# Allegro board OE19_backplane_1v02_b_0705_0920_customer.brd (continued)
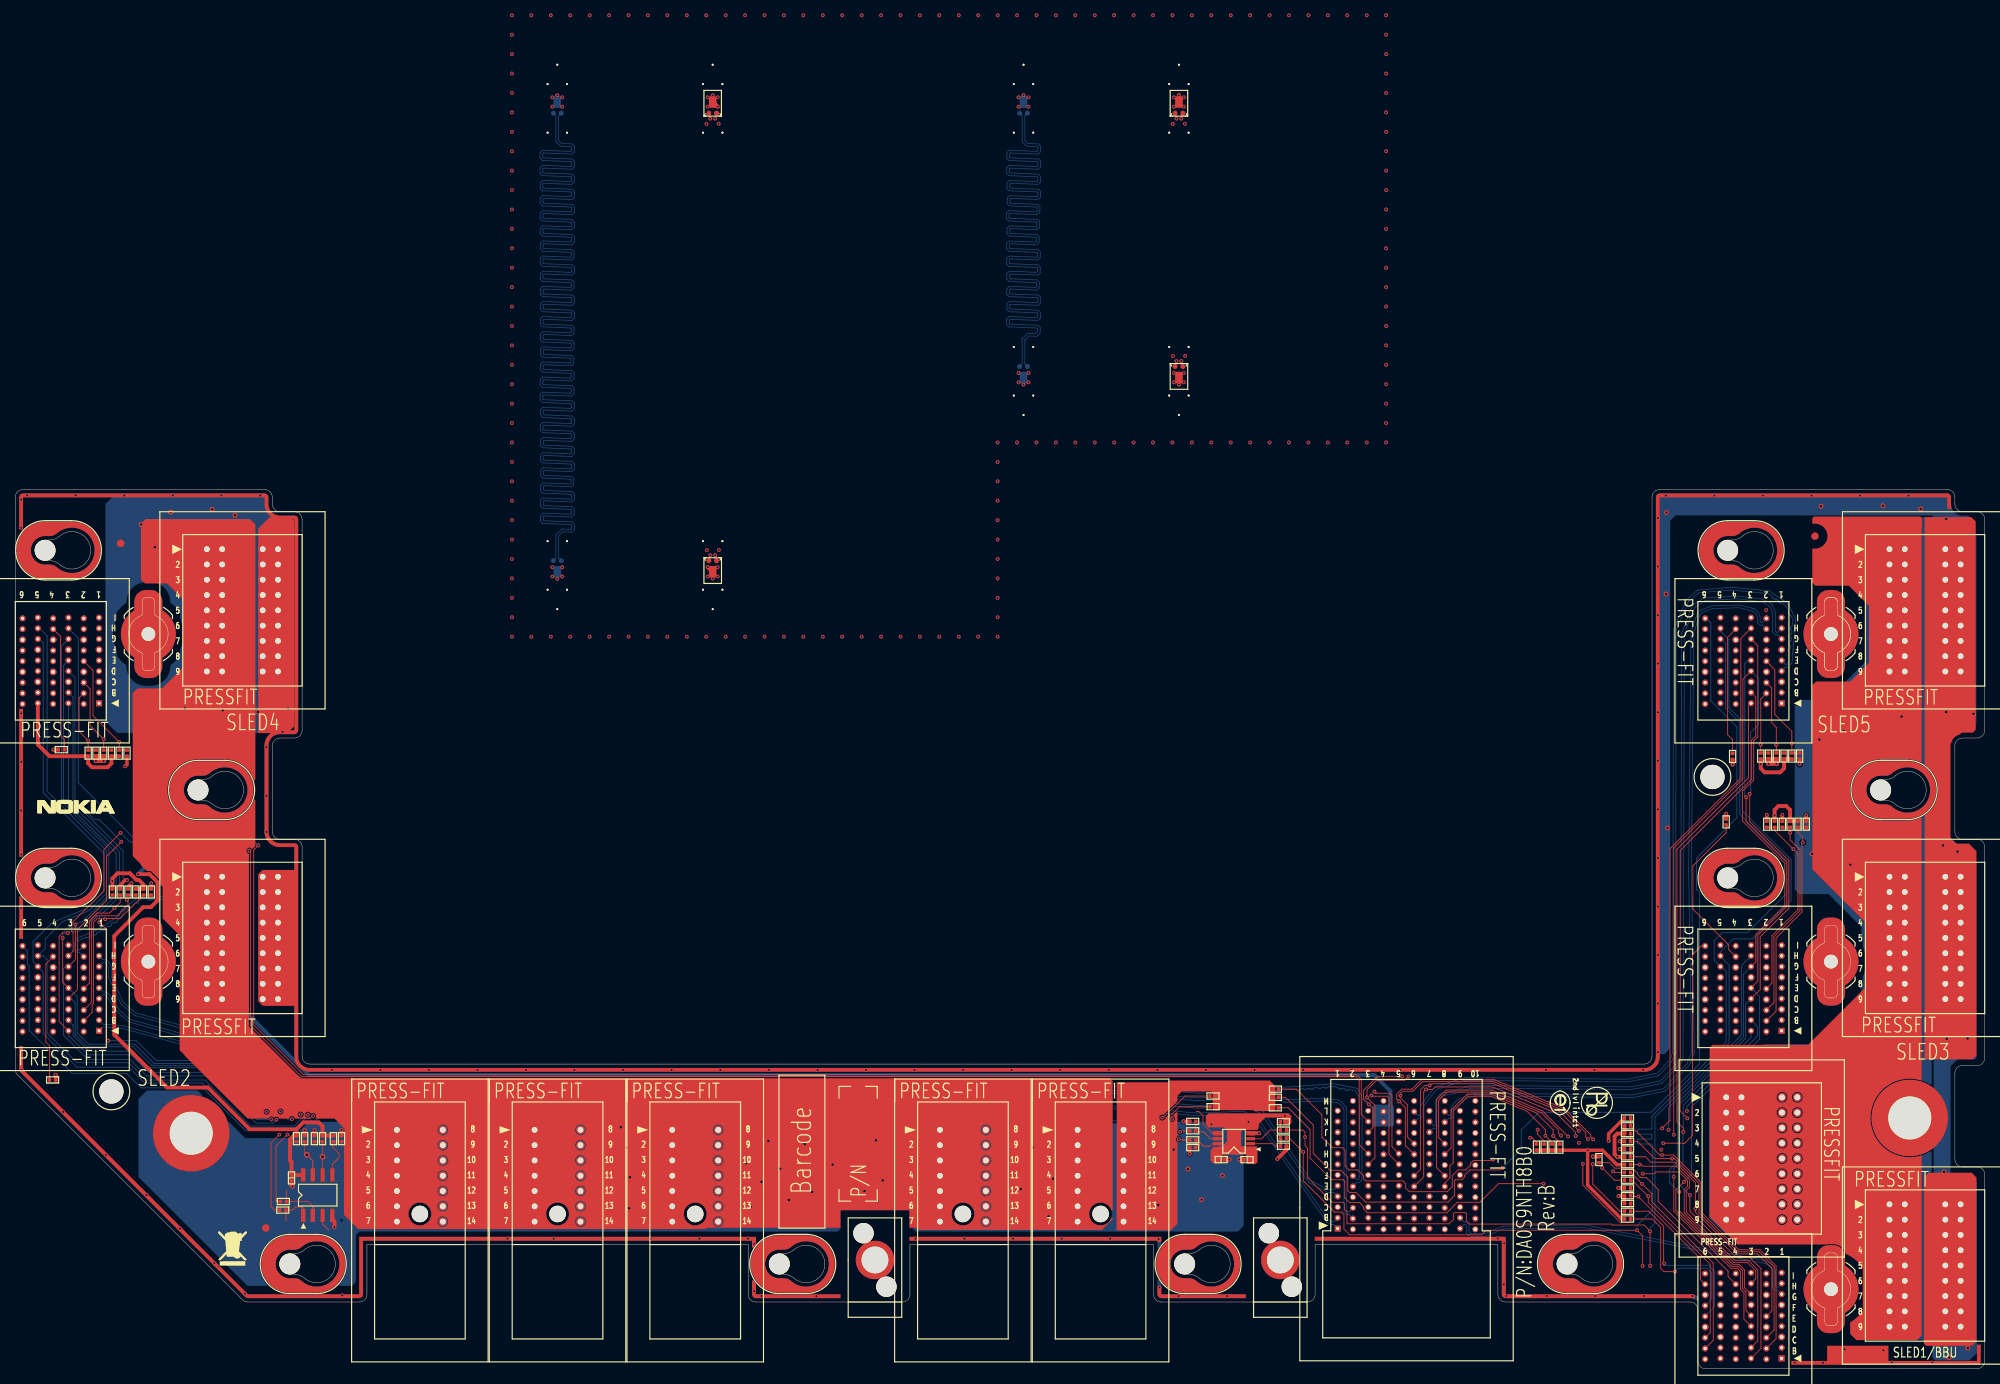
[diagram p0: board, top side]
## Nets
GND: C1045.2(B) C1375.2(B) C1377.2(B) H1.1 H2.1 J1.19 J1.20 J1.21 J1.22 J1.23 J1.24 J1.25 J1.26 J1.27 J1.28 J1.29 J1.30 J1.31 J1.32 J1.33 J1.34 J1.35 J1.36 J2.19 J2.20 J2.21 J2.22 J2.23 J2.24 J2.25 J2.26 J2.27 J2.28 J2.29 J2.30 J2.31 J2.32 J2.33 J2.34 J2.35 J2.36 J3.19 J3.20 J3.21 J3.22 J3.23 J3.24 J3.25 J3.26 J3.27 J3.28 J3.29 J3.30 J3.31 J3.32 J3.33 J3.34 J3.35 J3.36 J4.19 J4.20 J4.21 J4.22 J4.23 J4.24 J4.25 J4.26 J4.27 J4.28 J4.29 J4.30 J4.31 J4.32 J4.33 J4.34 J4.35 J4.36 J5.19 J5.20 J5.21 J5.22 J5.23 J5.24 J5.25 J5.26 J5.27 J5.28 J5.29 J5.30 J5.31 J5.32 J5.33 J5.34 J5.35 J5.36 J6.19 J6.20 J6.21 J6.22 J6.23 J6.24 J6.25 J6.26 J6.27 J6.28 J6.29 J6.30 J6.31 J6.32 J6.33 J6.34 J6.35 J6.36 J7.A2 J7.A4 J7.A6 J7.C1 J7.C3 J7.C5 J7.D2 J7.D4 J7.D6 J7.F1 J7.F3 J7.F5 J7.G2 J7.G4 J7.G6 J7.I1 J7.I3 J7.I5 J8.A2 J8.A4 J8.A6 J8.A8 J8.A10 J8.C1 J8.C3 J8.C5 J8.C7 J8.C9 J8.D2 J8.D4 J8.D6 J8.D8 J8.D10 J8.F1 J8.F3 J8.F5 J8.F7 J8.F9 J8.G2 J8.G4 J8.G6 J8.G8 J8.G10 J8.I1 J8.I3 J8.I5 J8.I7 J8.I9 J8.J2 J8.J4 J8.J6 J8.J8 J8.J10 J8.L1 J8.L3 J8.L5 J8.L7 J8.L9 J8.MG1 J8.MG2 J8.MG3 J8.MG4 J8.MG5 J9.A2 J9.A4 J9.A6 J9.C1 J9.C3 J9.C5 J9.D2 J9.D4 J9.D6 J9.F1 J9.F3 J9.F5 J9.G2 J9.G4 J9.G6 J9.I1 J9.I3 J9.I5 J10.A2 J10.A4 J10.A6 J10.C1 J10.C3 J10.C5 J10.D2 J10.D4 J10.D6 J10.F1 J10.F3 J10.F5 J10.G2 J10.G4 J10.G6 J10.I1 J10.I3 J10.I5 J11.A2 J11.A4 J11.A6 J11.C1 J11.C3 J11.C5 J11.D2 J11.D4 J11.D6 J11.F1 J11.F3 J11.F5 J11.G2 J11.G4 J11.G6 J11.I1 J11.I3 J11.I5 J12.A2 J12.A4 J12.A6 J12.C1 J12.C3 J12.C5 J12.D2 J12.D4 J12.D6 J12.F1 J12.F3 J12.F5 J12.G2 J12.G4 J12.G6 J12.I1 J12.I3 J12.I5 J37.G1 J38.G1 J39.G1 J40.G1 J41.G1 JP1.8 JP1.9 JP1.10 JP1.11 JP1.12 JP1.13 JP1.14 JP2.8 JP2.9 JP2.10 JP2.11 JP2.12 JP2.13 JP2.14 JP3.8 JP3.9 JP3.10 JP3.11 JP3.12 JP3.13 JP3.14 JP4.8 JP4.9 JP4.10 JP4.11 JP4.12 JP4.13 JP4.14 JP5.1 JP6.1 JP7.8 JP7.9 JP7.10 JP7.11 JP7.12 JP7.13 JP7.14 R7.2(B) R9.2(B) R11.2(B) R17.2(B) R19.2(B) R20.2(B) R21.2(B) R22.2(B) R23.2(B) R24.2(B) R25.2(B) R26.2(B) R27.2(B) R28.2(B) R32.2(B) R41.2(B) R42.2(B) R43.2(B) R44.2(B) R45.2(B) R54.2(B) R55.2(B) R56.2(B) R57.2(B) R58.2(B) R1103.2(B) R1109.2(B) R1114.2(B) R2298.2(B) U31.4(GND) U118.4(GND)
P3V3_RMC_STBY: C1045.1(A) C1375.1(A) C1377.1(A) J8.K4 J8.L4 R29.1(A) R30.1(A) R31.1(A) R33.1(A) R34.1(A) R35.1(A) R36.1(A) R37.1(A) R48.1(A) R49.1(A) R50.1(A) R51.1(A) R1102.1(A) R1108.1(A) R1113.1(A) U31.8(VCC) U118.1(VCCA) U118.8(VCCB)
P3V3_SLED1: J7.A5 R13.1(A) R15.1(A) R2297.1(A)
P3V3_SLED2: J9.A5 R1.1(A) R8.1(A) R14.1(A)
P3V3_SLED3: J10.A5 R2.1(A) R10.1(A) R12.1(A)
P3V3_SLED4: J11.A5 R3.1(A) R6.1(A) R18.1(A)
P3V3_SLED5: J12.A5 R4.1(A) R5.1(A) R16.1(A)
P12V_PSU: J1.1 J1.2 J1.3 J1.4 J1.5 J1.6 J1.7 J1.8 J1.9 J1.10 J1.11 J1.12 J1.13 J1.14 J1.15 J1.16 J1.17 J1.18 J2.1 J2.2 J2.3 J2.4 J2.5 J2.6 J2.7 J2.8 J2.9 J2.10 J2.11 J2.12 J2.13 J2.14 J2.15 J2.16 J2.17 J2.18 J3.1 J3.2 J3.3 J3.4 J3.5 J3.6 J3.7 J3.8 J3.9 J3.10 J3.11 J3.12 J3.13 J3.14 J3.15 J3.16 J3.17 J3.18 J4.1 J4.2 J4.3 J4.4 J4.5 J4.6 J4.7 J4.8 J4.9 J4.10 J4.11 J4.12 J4.13 J4.14 J4.15 J4.16 J4.17 J4.18 J5.1 J5.2 J5.3 J5.4 J5.5 J5.6 J5.7 J5.8 J5.9 J5.10 J5.11 J5.12 J5.13 J5.14 J5.15 J5.16 J5.17 J5.18 J6.1 J6.2 J6.3 J6.4 J6.5 J6.6 J6.7 J6.8 J6.9 J6.10 J6.11 J6.12 J6.13 J6.14 J6.15 J6.16 J6.17 J6.18 JP1.1 JP1.2 JP1.3 JP1.4 JP1.5 JP1.6 JP1.7 JP2.1 JP2.2 JP2.3 JP2.4 JP2.5 JP2.6 JP2.7 JP3.1 JP3.2 JP3.3 JP3.4 JP3.5 JP3.6 JP3.7 JP4.1 JP4.2 JP4.3 JP4.4 JP4.5 JP4.6 JP4.7 JP7.1 JP7.2 JP7.3 JP7.4 JP7.5 JP7.6 JP7.7
DELTA_L_85_5INCH_BOT_DN: J15.1 J21.2
DELTA_L_85_5INCH_BOT_DP: J15.2 J21.1
DELTA_L_85_5INCH_IN2_DN: J16.1 J22.2
DELTA_L_85_5INCH_IN2_DP: J16.2 J22.1
DELTA_L_85_10INCH_BOT_DN: J27.1 J33.2
DELTA_L_85_10INCH_BOT_DP: J27.2 J33.1
DELTA_L_85_10INCH_IN2_DN: J28.1 J34.2
DELTA_L_85_10INCH_IN2_DP: J28.2 J34.1
FM_BBU_PRSNT_N: J7.F6 J8.B7 R29.2(B)
FM_BMC_SLED1_READY_N: J7.H3 J8.C8
FM_BMC_SLED2_READY_N: J8.H3 J9.H3
FM_BMC_SLED3_READY_N: J8.F8 J10.H3
FM_BMC_SLED4_READY_N: J8.K3 J11.H3
FM_BMC_SLED5_READY_N: J8.I8 J12.H3
FM_RMC_GPIO_0: J7.D3 J8.F6 J9.D3 J10.D3 J11.D3 J12.D3
FM_RMC_GPIO_1: J7.E3 J8.H6 J9.E3 J10.E3 J11.E3 J12.E3
FM_RMC_GPIO_2: J7.G3 J8.I6 J9.G3 J10.G3 J11.G3 J12.G3
FM_SLED1_PRSNT_N: J7.B3 J8.B8 R36.2(B)
FM_SLED2_PRSNT_N: J8.G3 J9.B3 R35.2(B)
FM_SLED3_PRSNT_N: J8.E8 J10.B3 R34.2(B)
FM_SLED4_PRSNT_N: J8.J3 J11.B3 R33.2(B)
FM_SLED5_PRSNT_N: J8.H8 J12.B3 R30.2(B)
IRQ_RMC_ALERT_N: J7.A3 J8.E6 J9.A3 J10.A3 J11.A3 J12.A3
LAN_SLED1_MDIN0: J7.B1 J8.C10
LAN_SLED1_MDIN1: J7.E1 J8.E10
LAN_SLED1_MDIN2: J7.H1 J8.B9
LAN_SLED1_MDIN3: J7.I2 J8.E9
LAN_SLED1_MDIP0: J7.A1 J8.B10
LAN_SLED1_MDIP1: J7.D1 J8.F10
LAN_SLED1_MDIP2: J7.G1 J8.A9
LAN_SLED1_MDIP3: J7.H2 J8.D9
LAN_SLED2_MDIN0: J8.B1 J9.B1
LAN_SLED2_MDIN1: J8.E1 J9.E1
LAN_SLED2_MDIN2: J8.C2 J9.H1
LAN_SLED2_MDIN3: J8.F2 J9.I2
LAN_SLED2_MDIP0: J8.A1 J9.A1
LAN_SLED2_MDIP1: J8.D1 J9.D1
LAN_SLED2_MDIP2: J8.B2 J9.G1
LAN_SLED2_MDIP3: J8.E2 J9.H2
LAN_SLED3_MDIN0: J8.K10 J10.B1
LAN_SLED3_MDIN1: J8.H10 J10.E1
LAN_SLED3_MDIN2: J8.H9 J10.H1
LAN_SLED3_MDIN3: J8.J9 J10.I2
LAN_SLED3_MDIP0: J8.L10 J10.A1
LAN_SLED3_MDIP1: J8.I10 J10.D1
LAN_SLED3_MDIP2: J8.G9 J10.G1
LAN_SLED3_MDIP3: J8.K9 J10.H2
LAN_SLED4_MDIN0: J8.H1 J11.B1
LAN_SLED4_MDIN1: J8.K1 J11.E1
LAN_SLED4_MDIN2: J8.I2 J11.H1
LAN_SLED4_MDIN3: J8.L2 J11.I2
LAN_SLED4_MDIP0: J8.G1 J11.A1
LAN_SLED4_MDIP1: J8.J1 J11.D1
LAN_SLED4_MDIP2: J8.H2 J11.G1
LAN_SLED4_MDIP3: J8.K2 J11.H2
LAN_SLED5_MDIN0: J8.K5 J12.B1
LAN_SLED5_MDIN1: J8.K6 J12.E1
LAN_SLED5_MDIN2: J8.K7 J12.H1
LAN_SLED5_MDIN3: J8.L8 J12.I2
LAN_SLED5_MDIP0: J8.J5 J12.A1
LAN_SLED5_MDIP1: J8.L6 J12.D1
LAN_SLED5_MDIP2: J8.J7 J12.G1
LAN_SLED5_MDIP3: J8.K8 J12.H2
PD_BBU_A0: J7.H6 R31.2(B) R32.1(A)
PD_SLED1_CHASSIS_INTRUSION: J7.H4 R54.1(A)
PD_SLED1_PRSNT_RETURN: J7.I6 R41.1(A)
PD_SLED2_CHASSIS_INTRUSION: J9.H4 R55.1(A)
PD_SLED2_PRSNT_RETURN: J9.I6 R42.1(A)
PD_SLED3_CHASSIS_INTRUSION: J10.H4 R56.1(A)
PD_SLED3_PRSNT_RETURN: J10.I6 R43.1(A)
PD_SLED4_CHASSIS_INTRUSION: J11.H4 R57.1(A)
PD_SLED4_PRSNT_RETURN: J11.I6 R44.1(A)
PD_SLED5_CHASSIS_INTRUSION: J12.H4 R58.1(A)
PD_SLED5_PRSNT_RETURN: J12.I6 R45.1(A)
SB_SLED1_ADDR_0: J7.B2 R2297.2(B) R2298.1(A)
SB_SLED1_ADDR_1: J7.C2 R13.2(B) R21.1(A)
SB_SLED1_ADDR_2: J7.E2 R15.2(B) R24.1(A)
SB_SLED2_ADDR_0: J9.B2 R8.2(B) R9.1(A)
SB_SLED2_ADDR_1: J9.C2 R1.2(B) R19.1(A)
SB_SLED2_ADDR_2: J9.E2 R14.2(B) R22.1(A)
SB_SLED3_ADDR_0: J10.B2 R10.2(B) R11.1(A)
SB_SLED3_ADDR_1: J10.C2 R12.2(B) R20.1(A)
SB_SLED3_ADDR_2: J10.E2 R2.2(B) R23.1(A)
SB_SLED4_ADDR_0: J11.B2 R3.2(B) R7.1(A)
SB_SLED4_ADDR_1: J11.C2 R18.2(B) R26.1(A)
SB_SLED4_ADDR_2: J11.E2 R6.2(B) R28.1(A)
SB_SLED5_ADDR_0: J12.B2 R16.2(B) R17.1(A)
SB_SLED5_ADDR_1: J12.C2 R4.2(B) R25.1(A)
SB_SLED5_ADDR_2: J12.E2 R5.2(B) R27.1(A)
SMB_3UBP_TEMP_SCL: R1123.1(A) U31.2(SCL)
SMB_3UBP_TEMP_SDA: R1122.1(A) U31.1(SDA)
SMB_BBU_ALERT_N: J8.A7 R37.2(B) R38.1(A)
SMB_BBU_ALERT_R_N: J7.E6 R38.2(B)
SMB_PMBUS_BBU_SCL: J7.B6 R39.2(B)
SMB_PMBUS_BBU_SDA: J7.C6 R40.2(B)
SMB_PMBUS_SCL: J8.D7 R39.1(A)
SMB_PMBUS_SDA: J8.E7 R40.1(A)
SMB_SLED_BUF_SCL: J7.G5 J9.G5 J10.G5 J11.G5 J12.G5 R52.2(B)
SMB_SLED_BUF_SCL_R: R50.2(B) R52.1(A) U118.2(SCLA)
SMB_SLED_BUF_SDA: J7.H5 J9.H5 J10.H5 J11.H5 J12.H5 R53.2(B)
SMB_SLED_BUF_SDA_R: R51.2(B) R53.1(A) U118.3(SDAA)
SMB_SLED_COMBINE_SCL: J8.G5 R46.1(A) R1123.2(B)
SMB_SLED_COMBINE_SCL_R: R46.2(B) R48.2(B) U118.7(SCLB)
SMB_SLED_COMBINE_SDA: J8.H5 R47.1(A) R1122.2(B)
SMB_SLED_COMBINE_SDA_R: R47.2(B) R49.2(B) U118.6(SDAB)
TGND: J15.3 J16.3 J21.3 J22.3 J27.3 J28.3 J33.3 J34.3
TMP75_1_A0: R1113.2(B) R1114.1(A) U31.7(A0)
TMP75_1_A1: R1108.2(B) R1109.1(A) U31.6(A1)
TMP75_1_A2: R1102.2(B) R1103.1(A) U31.5(A2)
TP_BUF_EN: U118.5(EN)
TP_TMP75_1_ALERT: U31.3(ALERT)

Pads without a net: DM2 1; DM3 1; DM4 1; DM7 1; DM8 1; J7 B4 B5 C4 D5 E4 E5 F2 F4 I4; J8 A3 A5 B3 B4 B5 B6 C4 C6 D3 D5 E3 E4 E5 F4 G7 H4 H7 I4; J9 B4 B5 B6 C4 C6 D5 E4 E5 E6 F2 F4 F6 H6 I4; J10 B4 B5 B6 C4 C6 D5 E4 E5 E6 F2 F4 F6 H6 I4; J11 B4 B5 B6 C4 C6 D5 E4 E5 E6 F2 F4 F6 H6 I4; J12 B4 B5 B6 C4 C6 D5 E4 E5 E6 F2 F4 F6 H6 I4; NOREF#17 1; NOREF#42 1; NOREF#63 1

## Via types
v1: diameter 0.508, hole 0.254, TOP to BOTTOM, 448 vias
v2: diameter 0.762, hole 0.381, TOP to BOTTOM, 2 vias
v3: diameter 0.66, hole 0.33, TOP to BOTTOM, 55 vias

## Routing (per net, layer and track width the routed paths; a pad name or vN(x,y) marks a point on that pad's centre or on a via; arc(x,y) is an arc through that point)
GND: length 24.1
  TOP w0.457: R2298.2 210.39,32.79 208.33,30.73 v1(208.33,29.79) ; R24.2 v1(209.79,28.73) ; R9.2 v1(17.78,63.48) ; R32.2 v1(209.58,23.65) ; R22.2 13.72,63.25 14.37,63.91 v1(14.59,63.91) ; R19.2 14.73,63.04 v1(15.18,63.49) ; R23.2 v1(229,72.43) ; R27.2 v1(233.3,79.12) ; R28.2 14.61,79.04 v1(14.36,78.79) ; R20.2 v1(231.04,72.43) ; R21.2 v1(209.79,29.74)
  TOP w0.508: R11.2 v1(234.17,72.39) ; C1375.2 v1(158.76,27.35) ; C1045.2 36.12,23.94 v1(36.24,23.81) ; R55.2 v1(5.28,38.44) ; v1(42.65,31.23) R1103.2 ; R1114.2 v1(37.84,31.21) ; v1(224.54,79.01) R58.2 ; R54.2 v1(206.29,27.75) ; R1109.2 v1(39.11,31.2) ; U118.4 v1(162.63,30.81) ; v1(41.72,18.52) 41.72,18.53 41.72,19.24 41.45,19.52 U31.4 ; C1377.2 v1(160,27.34) ; R56.2 v1(223.7,72.59) ; R57.2 v1(4.98,80.98)
  vias: v1(0.76,113.67) v1(0.76,109.98) v1(0.77,85.73) v1(0.77,79.39) v1(0.77,73) v1(0.78,67.26) v1(0.76,60.25) v1(0.88,39.08) v1(1.55,114.23) v1(6.26,33.59) v1(7.9,114.23) v1(10.54,79.5) v1(11.56,79.5) v1(11.85,27.96) v1(14.25,114.23) v1(17.16,22.72) v1(20.6,114.23) v1(21.54,18.34) v1(26.02,13.81) v1(26.95,114.23) v1(30.03,9.79) v1(32.03,114.23) v1(32.83,81.29) v1(32.83,74.94) v1(32.84,70.22) v1(34.93,83.3) v1(41.38,39.07) v1(42.76,9.59) v1(47.73,39.07) v1(54.08,39.07) v1(60.43,39.07) v1(64.33,17.01) v1(66.78,39.07) v1(70.41,17) v1(73.13,39.07) v1(76.76,17) v1(79.48,39.07) v1(83.11,17) v1(85.83,39.07) v1(89.46,17) v1(92.18,39.07) v1(95.81,17) v1(96.63,16.32) v1(96.63,10.13) v1(97.57,9.51) v1(98.53,39.07) v1(104.73,9.5) v1(104.88,39.07) v1(111.23,39.07) v1(117.58,39.07) v1(117.73,17) v1(123.93,39.07) v1(124.1,17.01) v1(130.28,39.07) v1(130.45,17.01) v1(136.63,39.07) v1(136.8,17.01) v1(142.98,39.07) v1(143.15,17.01) v1(149.33,39.07) v1(149.5,16.95) v1(149.6,10.62) v1(152.11,9.5) v1(155.68,39.07) v1(158.46,9.5) v1(162.03,39.07) v1(168.38,39.07) v1(174.73,39.07) v1(181.08,39.07) v1(193.83,17.04) v1(194.63,11.02) v1(194.67,16.4) v1(194.94,9.52) v1(200.13,39.07) v1(200.23,9.51) v1(204.44,29.54) v1(206.48,39.07) v1(206.58,9.51) v1(212.83,39.07) v1(212.93,9.51) v1(214.78,111.27) v1(214.78,104.92) v1(214.78,98.57) v1(214.78,92.22) v1(214.78,85.87) v1(214.78,79.52) v1(214.78,73.17) v1(214.78,66.82) v1(214.78,60.47) v1(214.78,54.12) v1(214.78,47.77) v1(214.78,41.42) v1(215.21,28.65) v1(215.81,114.21) v1(219.28,9.51) v1(222.16,114.21) v1(228.51,114.21) v1(228.93,99.24) v1(229.24,79.12) v1(230.25,79.12) v1(232.67,0.79) v1(234.86,114.21) v1(236.36,0.76) v1(239.2,2.55) v1(241.21,114.21) v1(244.24,2.42) v1(245.37,0.79) v1(247.56,114.21) v1(250.66,0.78) v3(16.46,110.44) v3(18.25,107.46) v3(20.33,112.04) v3(22.18,86.38) v3(25.75,112.4) v3(27.12,86.14) v3(28.73,111.63) v3(31.71,85.9) v3(35.7,86.32) v3(79.17,31.59) v3(79.89,28.91) v3(80.24,20.99) v3(80.36,25.04) v3(95.55,26.88) v3(96.14,21.17) v3(97.57,24.44) v3(98.47,29.8) v3(100.01,26.17) v3(101.15,22.06) v3(103.23,29.39) v3(104.18,23.13) v3(106.86,26.71) v3(111.03,23.25) v3(112.52,29.86) v3(113.41,24.62) v3(131.46,23.49) v3(133.01,28.91) v3(135.09,19.92) v3(135.69,24.86) v3(149.44,21.4) v3(151.47,28.67) v3(153.31,26.11) v3(155.1,22.12) v3(157.84,25.28) v3(215.84,101.32) v3(215.9,111.98) v3(216.02,70.71) v3(236.09,112.82) v3(244.19,112.88) v3(249.13,112.46) v3(252.05,68.45) v3(252.17,25.75) v3(252.47,111.15) v3(252.47,85.9) v3(252.53,43.14) v3(252.83,1.45) v3(253.95,67.65) v3(255.27,43.2) v3(255.29,2.69) v3(256.04,85.66)
P3V3_RMC_STBY: length 405.2
  TOP w0.457: R29.1 210.02,19.58 205.59,24.01 v1(205.59,28.58) ; R36.1 209.4,26.7 207.51,28.58 v1(205.59,28.58) ; v1(205.59,28.58) R30.1 R34.1 R35.1 R33.1 ; v1(209.63,22.56) 209.7,22.63 R31.1 R37.1
  TOP w0.508: R51.1 166.21,32.87 v1(166.01,33.07) ; v1(165.01,27.44) 166.21,28.64 R50.1 ; v1(16.06,64.69) 17.55,64.69 18.58,63.66 18.58,61.23 17.73,60.38 16.72,60.38 12.93,56.59 12.93,43.71 19.86,36.78 25.19,36.78 30.65,31.32 36.76,31.32 ; 36.76,31.32 37.66,32.22 39.66,32.22 40.17,31.71 R1108.1 R1102.1 ; 36.76,31.32 R1113.1 36.41,30.49 35.9,29.99 35.9,27.25 36.12,27.04 C1045.1 36.13,25.34 U31.8 ; R48.1 v1(153.55,28.12) ; R49.1 v1(152.74,32.35)
  IN1 w0.457: J8.K4 178.9,32.12 179.74,31.28 179.74,18.42 180.82,17.35 ; v1(165.01,27.44) 168.09,24.35 168.09,18.81 169.55,17.35 180.82,17.35 ; 180.82,17.35 191.75,17.35 196.96,22.56 v1(209.63,22.56)
  IN1 w0.508: v1(156.41,31.97) 160.95,31.97 v1(161.25,32.27) 162.05,33.07 v1(166.01,33.07) ; v1(153.55,28.12) 154.99,26.68 164.04,26.68 164.8,27.44 v1(165.01,27.44)
  IN2 w0.508: v1(152.74,32.35) 152.96,32.58 155.9,32.58 156.41,32.07 v1(156.41,31.97) ; v1(161.25,32.27) 161.25,31.19 v1(165.01,27.44) ; v1(205.59,28.58) 205.31,28.58 204.12,27.39 204.12,25.44 205.18,24.39 207.79,24.39 v1(209.63,22.56)
  BOTTOM w0.508: v1(16.06,64.69) 18.76,67.39 28.52,67.39 29.03,66.89 29.03,47.76 38.37,38.41 177.69,38.41 179.8,36.3 179.8,34.01 179.42,33.63 J8.L4
P3V3_SLED1: length 43.4
  TOP w0.508: R15.1 v1(209.46,27.71) 209.1,28.07 209.1,30.4 209.46,30.76 R13.1 R2297.1
  IN1 w0.508: J7.A5 223.72,1.35 224.08,1.71 224.08,12.85 223.23,13.7 219.85,13.7 215.88,17.68 215.88,21.28 214.55,22.61 214.55,25.75 212.56,27.74 209.49,27.74 v1(209.46,27.71)
P3V3_SLED2: length 33.4
  TOP w0.508: R1.1 R8.1 16.76,63.33 16.15,63.94 15.85,63.94 14.98,64.81 13.37,64.81 12.7,64.13 v1(12.7,63.77) R14.1
  IN1 w0.508: J9.A5 3.87,45.12 3.87,56.34 4.37,56.85 4.61,56.85 6.7,58.94 9.67,58.94 12.7,61.97 v1(12.7,63.77)
P3V3_SLED3: length 44.7
  TOP w0.508: R2.1 v1(230.02,72.39) 230.02,73.1 230.53,73.6 231.54,73.6 232.05,73.1 R12.1 232.06,71.63 R10.1
  IN1 w0.508: J10.A5 221.79,45.36 221.79,57.53 219.22,60.1 219.22,68.15 221.01,69.94 227.86,69.94 230.02,72.1 v1(230.02,72.39)
P3V3_SLED4: length 19
  TOP w0.508: J11.A5 2.95,81.65 4.48,80.12 R3.1 9.53,79.18 10.03,78.67 12.06,78.67 12.57,79.18 R18.1 R6.1
P3V3_SLED5: length 17.1
  TOP w0.508: R16.1 v1(228.22,79.07) 228.22,78.52 228.73,78.01 230.76,78.01 231.27,78.52 R4.1 R5.1
  IN1 w0.508: J12.A5 222.95,84.33 v1(228.22,79.07)
P12V_PSU:
  vias: v3(234.93,67.35) v3(235.88,82.3) v3(239.07,83.4) v3(239.93,65.92) v3(246.63,85.3)
DELTA_L_85_5INCH_BOT_DN: length 127
  BOTTOM w0.099: J15.1 131.65,163.9 131.65,160.5 132.23,159.92 133.62,159.87 133.72,159.76 133.7,159.33 133.6,159.23 129.98,159.38 129.66,159.09 129.63,158.36 129.92,158.04 133.62,157.89 133.72,157.78 133.7,157.35 133.6,157.25 129.95,157.4 129.64,157.11 129.61,156.38 129.9,156.06 133.6,155.91 133.7,155.81 133.68,155.37 133.58,155.28 130,155.42 129.68,155.13 129.65,154.4 129.95,154.08 133.62,153.93 133.72,153.83 133.7,153.39 133.6,153.3 130.02,153.45 129.71,153.15 129.7,153.01 129.68,152.42 129.97,152.11 133.52,151.96 133.62,151.86 133.6,151.42 133.5,151.32 129.92,151.47 129.6,151.18 129.57,150.45 129.87,150.13 133.49,149.98 133.59,149.88 133.57,149.44 133.47,149.35 130,149.49 129.68,149.2 129.65,148.47 129.94,148.15 133.42,148.01 133.52,147.9 133.5,147.47 133.39,147.37 129.95,147.52 129.63,147.22 129.6,146.49 129.89,146.18 133.57,146.02 133.67,145.92 133.65,145.48 133.55,145.39 129.95,145.54 129.63,145.25 129.6,144.52 129.89,144.2 133.57,144.05 133.67,143.94 133.65,143.51 133.55,143.41 129.97,143.56 129.65,143.27 129.65,143.12 129.62,142.54 129.92,142.22 133.45,142.07 133.54,141.97 133.52,141.53 133.42,141.44 129.97,141.58 129.65,141.29 129.62,140.56 129.91,140.24 133.62,140.09 133.72,139.98 133.7,139.55 133.6,139.45 130,139.6 129.68,139.31 129.65,138.58 129.94,138.26 133.6,138.11 133.69,138.01 133.68,137.57 133.57,137.48 129.95,137.63 129.63,137.33 129.62,137.18 129.6,136.61 129.89,136.29 133.56,136.13 133.66,136.03 133.64,135.6 133.43,135.4 132.43,135.44 131.65,134.74 131.65,131.43 J21.2
DELTA_L_85_5INCH_BOT_DP: length 127
  BOTTOM w0.099: J21.1 132,131.43 132,134.58 132.56,135.09 133.56,135.04 133.99,135.44 134.02,136.16 133.72,136.48 130.06,136.63 129.96,136.74 129.97,137.17 130.08,137.27 133.71,137.12 134.02,137.41 134.05,138.14 133.76,138.46 130.1,138.61 130.01,138.71 130.03,139.15 130.13,139.24 133.73,139.09 134.05,139.39 134.08,140.12 133.79,140.43 130.08,140.59 129.98,140.69 130,141.13 130.1,141.22 133.55,141.08 133.87,141.37 133.9,142.1 133.61,142.42 130.08,142.57 129.98,142.67 130,143.11 130.1,143.2 133.68,143.05 134,143.34 134.03,144.07 133.74,144.39 130.05,144.55 129.96,144.65 129.98,145.08 130.08,145.18 133.68,145.03 134,145.32 134.03,146.05 133.73,146.37 130.05,146.52 129.96,146.63 129.98,147.06 130.08,147.16 133.53,147.01 133.84,147.31 133.88,148.04 133.58,148.35 130.1,148.5 130.01,148.6 130.03,149.04 130.13,149.13 133.6,148.99 133.92,149.28 133.95,150.01 133.66,150.33 130.03,150.48 129.93,150.58 129.95,151.02 130.05,151.11 133.63,150.97 133.95,151.26 133.98,151.99 133.68,152.31 130.13,152.45 130.04,152.56 130.05,152.99 130.16,153.09 133.73,152.94 134.05,153.23 134.07,153.81 134.08,153.96 133.79,154.28 130.11,154.43 130.01,154.53 130.03,154.97 130.13,155.07 133.71,154.92 134.03,155.21 134.06,155.94 133.76,156.26 130.06,156.41 129.96,156.51 129.98,156.95 130.09,157.05 133.73,156.89 134.05,157.19 134.08,157.92 133.78,158.23 130.08,158.39 129.99,158.49 130,158.93 130.11,159.02 133.73,158.87 134.05,159.17 134.06,159.53 134.08,159.89 133.78,160.21 132.38,160.27 132,160.65 132,163.9 J15.2
DELTA_L_85_5INCH_IN2_DN: length 127
  TOP w0.099: J22.2 v1(151.83,163.52) ; J16.1 v1(151.83,131.81)
  IN2 w0.114: v1(151.83,131.81) 151.93,132.06 151.93,134.73 152.19,135.15 152.51,135.35 154.04,135.48 154.18,135.64 154.14,136.06 154.02,136.16 150.25,135.86 149.86,136.19 149.8,136.96 150.13,137.35 154.02,137.67 154.12,137.79 154.09,138.21 153.97,138.32 150.2,138.01 149.81,138.35 149.74,139.12 150.08,139.51 154.01,139.83 154.12,139.95 154.08,140.37 153.96,140.48 150.08,140.16 149.88,140.33 149.69,140.5 149.62,141.27 149.96,141.66 154.05,141.99 154.16,142.12 154.12,142.54 154,142.64 150.12,142.33 149.73,142.66 149.67,143.44 150,143.83 154.05,144.15 154.16,144.28 154.12,144.7 154,144.8 150.08,144.49 149.69,144.82 149.63,145.59 149.96,145.99 154.05,146.32 154.15,146.44 154.12,146.86 153.99,146.96 150.13,146.65 149.73,146.98 149.67,147.76 150,148.15 154.04,148.48 154.18,148.64 154.15,149.02 154.02,149.13 150.19,148.82 149.8,149.15 149.74,149.92 150.07,150.32 153.96,150.63 154.07,150.75 154.03,151.17 153.91,151.28 150.22,150.98 149.83,151.31 149.77,152.09 150.1,152.48 154.09,152.8 154.19,152.92 154.16,153.34 154.03,153.45 150.08,153.13 149.69,153.46 149.63,154.24 149.96,154.63 154.03,154.96 154.14,155.08 154.1,155.5 153.98,155.61 150.18,155.3 149.79,155.63 149.72,156.4 150.06,156.8 153.95,157.11 154.05,157.24 154.02,157.66 153.89,157.76 150.21,157.46 149.82,157.8 149.76,158.57 150.09,158.96 153.9,159.27 154.01,159.39 153.98,159.81 153.85,159.92 152.58,159.82 151.93,160.46 151.93,163.27 v1(151.83,163.52)
DELTA_L_85_5INCH_IN2_DP: length 127
  TOP w0.099: J22.1 v1(152.46,163.52) ; J16.2 v1(152.46,131.81)
  IN2 w0.114: v1(152.46,131.81) 152.36,132.06 152.36,134.61 152.5,134.84 152.65,134.93 154.25,135.06 154.62,135.49 154.55,136.27 154.16,136.6 150.39,136.3 150.27,136.4 150.24,136.82 150.34,136.94 154.23,137.26 154.56,137.65 154.5,138.42 154.11,138.76 150.34,138.45 150.22,138.56 150.18,138.98 150.29,139.1 154.22,139.42 154.56,139.81 154.51,140.41 154.49,140.58 154.1,140.92 150.22,140.6 150.1,140.71 150.06,141.13 150.17,141.25 154.26,141.58 154.6,141.98 154.53,142.75 154.14,143.08 150.27,142.77 150.14,142.87 150.11,143.29 150.21,143.42 154.26,143.74 154.6,144.14 154.53,144.91 154.14,145.24 150.23,144.93 150.1,145.03 150.07,145.45 150.17,145.57 154.26,145.9 154.59,146.3 154.53,147.07 154.14,147.4 150.27,147.09 150.14,147.2 150.11,147.62 150.22,147.74 154.25,148.06 154.62,148.5 154.56,149.23 154.16,149.57 150.33,149.26 150.21,149.36 150.18,149.78 150.28,149.9 154.17,150.22 154.51,150.61 154.44,151.38 154.05,151.72 150.36,151.42 150.24,151.52 150.21,151.94 150.31,152.07 154.3,152.39 154.63,152.78 154.57,153.56 154.18,153.89 150.23,153.57 150.1,153.67 150.07,154.09 150.17,154.22 154.24,154.55 154.58,154.94 154.51,155.71 154.12,156.05 150.32,155.74 150.2,155.84 150.16,156.26 150.27,156.39 154.16,156.7 154.49,157.09 154.43,157.87 154.04,158.2 150.36,157.9 150.23,158.01 150.2,158.43 150.3,158.55 154.12,158.86 154.45,159.25 154.39,160.02 153.99,160.36 152.74,160.26 152.36,160.64 152.36,163.27 v1(152.46,163.52)
DELTA_L_85_10INCH_BOT_DN: length 254
  BOTTOM w0.099: J27.1 71.04,106.03 71.04,108.91 71.6,109.47 72.76,109.43 73.08,109.72 73.11,110.45 72.82,110.77 69.11,110.92 69.02,111.02 69.03,111.46 69.14,111.56 72.74,111.41 73.06,111.7 73.09,112.43 72.8,112.75 69.12,112.9 69.02,113 69.04,113.44 69.14,113.53 72.77,113.38 73.09,113.68 73.12,114.4 72.83,114.72 69.1,114.88 69.01,114.98 69.03,115.42 69.13,115.51 72.69,115.36 73.01,115.66 73.04,116.39 72.74,116.7 69.14,116.85 69.05,116.96 69.07,117.39 69.17,117.49 72.74,117.34 73.06,117.63 73.09,118.36 72.79,118.68 69.1,118.83 69,118.94 69.02,119.37 69.12,119.47 72.74,119.32 73.06,119.61 73.09,120.34 72.8,120.66 69.12,120.81 69.03,120.91 69.05,121.35 69.15,121.44 72.74,121.29 73.06,121.59 73.09,122.32 72.8,122.63 69.07,122.79 68.98,122.89 69,123.33 69.1,123.42 72.77,123.27 73.09,123.56 73.12,124.29 72.82,124.61 69.15,124.76 69,124.92 69.02,125.31 69.12,125.4 72.74,125.25 73.06,125.54 73.09,126.27 72.8,126.59 69.07,126.75 68.97,126.85 68.99,127.28 69.09,127.38 72.71,127.23 73.03,127.52 73.06,128.25 72.77,128.57 69.07,128.72 68.97,128.83 68.99,129.26 69.09,129.36 72.72,129.21 73.04,129.5 73.07,130.23 72.78,130.55 69.1,130.7 69,130.8 69.02,131.24 69.12,131.33 72.69,131.19 73.01,131.48 73.04,132.21 72.75,132.53 69.09,132.68 69,132.78 69.02,133.22 69.12,133.31 72.71,133.16 73.03,133.46 73.06,134.18 72.77,134.5 69.09,134.66 68.99,134.76 69.01,135.2 69.11,135.29 72.73,135.14 73.05,135.43 73.08,136.16 72.79,136.48 69.1,136.63 69,136.74 69.02,137.17 69.12,137.27 72.77,137.12 73.09,137.41 73.12,138.14 72.82,138.46 69.09,138.61 68.99,138.71 69.01,139.15 69.11,139.25 72.77,139.09 73.09,139.39 73.12,140.12 72.83,140.43 69.1,140.59 69,140.69 69.02,141.13 69.12,141.22 72.72,141.07 73.03,141.37 73.06,142.1 72.77,142.41 69.07,142.57 68.98,142.67 68.99,143.11 69.1,143.2 72.77,143.05 73.09,143.34 73.12,144.07 72.82,144.39 69.07,144.55 68.98,144.65 69,145.09 69.1,145.18 72.72,145.03 73.04,145.32 73.07,146.05 72.77,146.37 69.09,146.52 69,146.63 69.02,147.06 69.12,147.16 72.77,147.01 73.08,147.3 73.11,148.03 72.82,148.35 69.07,148.5 68.98,148.6 68.99,149.04 69.1,149.14 72.74,148.98 73.08,149.3 73.11,150.01 72.82,150.32 69.07,150.48 68.97,150.58 68.99,151.02 69.09,151.11 72.77,150.96 73.09,151.25 73.12,151.98 72.83,152.3 69.08,152.46 68.98,152.56 69,153 69.1,153.09 72.77,152.94 73.09,153.23 73.12,153.96 72.83,154.28 69.08,154.43 68.98,154.54 69,154.97 69.1,155.07 72.75,154.92 73.07,155.21 73.1,155.94 72.8,156.26 69.05,156.41 68.95,156.52 68.97,156.95 69.07,157.05 72.77,156.89 73.09,157.19 73.09,157.33 73.09,157.33 73.12,157.92 72.82,158.23 69.05,158.39 68.96,158.49 68.98,158.93 69.08,159.03 72.77,158.87 73.09,159.17 73.12,159.89 72.82,160.21 71.42,160.27 71.04,160.65 71.04,163.9 J33.2
DELTA_L_85_10INCH_BOT_DP: length 254
  BOTTOM w0.099: J27.2 70.69,106.03 70.69,109.06 71.46,109.83 72.63,109.79 72.74,109.88 72.75,110.32 72.66,110.42 68.95,110.57 68.66,110.89 68.69,111.62 69.01,111.91 72.61,111.76 72.71,111.86 72.73,112.3 72.64,112.4 68.96,112.55 68.66,112.87 68.69,113.6 69.01,113.89 72.64,113.74 72.74,113.84 72.76,114.27 72.67,114.38 68.94,114.53 68.65,114.85 68.68,115.58 69,115.87 72.56,115.72 72.66,115.82 72.68,116.25 72.58,116.36 68.98,116.51 68.69,116.82 68.72,117.55 69.04,117.85 72.61,117.7 72.71,117.79 72.73,118.23 72.63,118.33 68.94,118.49 68.64,118.8 68.67,119.53 68.99,119.83 72.61,119.68 72.71,119.77 72.73,120.21 72.64,120.31 68.96,120.46 68.67,120.78 68.7,121.51 69.02,121.8 72.61,121.65 72.71,121.75 72.73,122.18 72.64,122.29 68.91,122.44 68.62,122.76 68.65,123.49 68.97,123.78 72.64,123.63 72.74,123.73 72.76,124.16 72.66,124.26 68.99,124.42 68.65,124.79 68.67,125.47 68.99,125.76 72.61,125.61 72.71,125.7 72.73,126.14 72.63,126.24 68.91,126.4 68.61,126.72 68.64,127.45 68.96,127.74 72.58,127.59 72.68,127.68 72.7,128.12 72.61,128.22 68.9,128.38 68.61,128.69 68.64,129.42 68.96,129.72 72.59,129.57 72.69,129.66 72.71,130.1 72.61,130.2 68.93,130.35 68.64,130.67 68.67,131.4 68.99,131.69 72.56,131.54 72.66,131.64 72.68,132.08 72.59,132.18 68.93,132.33 68.64,132.65 68.67,133.38 68.99,133.67 72.58,133.52 72.68,133.62 72.7,134.05 72.61,134.16 68.93,134.31 68.63,134.63 68.66,135.36 68.98,135.65 72.6,135.5 72.7,135.59 72.72,136.03 72.62,136.13 68.93,136.29 68.64,136.6 68.67,137.33 68.99,137.63 72.64,137.47 72.74,137.57 72.76,138.01 72.66,138.11 68.93,138.26 68.63,138.58 68.66,139.31 68.98,139.61 72.64,139.45 72.74,139.55 72.76,139.98 72.66,140.09 68.93,140.24 68.64,140.56 68.67,141.29 68.99,141.58 72.58,141.43 72.69,141.53 72.71,141.96 72.61,142.07 68.91,142.22 68.62,142.54 68.65,143.27 68.97,143.56 72.64,143.41 72.74,143.5 72.76,143.94 72.66,144.04 68.91,144.2 68.62,144.52 68.65,145.25 68.97,145.54 72.59,145.39 72.69,145.48 72.71,145.92 72.61,146.02 68.93,146.18 68.64,146.49 68.67,147.22 68.99,147.52 72.63,147.36 72.74,147.46 72.76,147.9 72.66,148 68.91,148.15 68.62,148.47 68.65,149.2 68.97,149.49 72.61,149.34 72.74,149.46 72.76,149.87 72.66,149.98 68.91,150.13 68.61,150.45 68.64,151.18 68.96,151.47 72.64,151.32 72.74,151.41 72.76,151.85 72.67,151.95 68.92,152.11 68.62,152.43 68.65,153.16 68.97,153.45 72.64,153.3 72.74,153.39 72.76,153.83 72.66,153.93 68.91,154.09 68.62,154.41 68.65,155.14 68.97,155.43 72.62,155.28 72.72,155.37 72.74,155.81 72.64,155.91 68.89,156.07 68.59,156.39 68.62,157.11 68.94,157.41 72.64,157.25 72.74,157.35 72.76,157.78 72.66,157.89 68.89,158.04 68.6,158.36 68.63,159.09 68.95,159.38 72.64,159.23 72.74,159.33 72.76,159.76 72.66,159.87 71.27,159.92 70.69,160.5 70.69,163.9 J33.1
DELTA_L_85_10INCH_IN2_DN: length 254
  TOP w0.099: J34.2 v1(91.5,106.41) ; J28.1 v1(91.5,163.52)
  IN2 w0.114: v1(91.5,163.52) 91.4,163.27 91.4,160.64 91.78,160.26 93.23,160.37 93.63,160.04 93.69,159.27 93.35,158.87 89.21,158.54 89.11,158.42 89.14,158 89.27,157.89 93.22,158.21 93.61,157.88 93.68,157.1 93.34,156.71 89.24,156.38 89.14,156.26 89.17,155.84 89.3,155.73 93.25,156.05 93.64,155.72 93.71,154.95 93.37,154.55 89.21,154.22 89.11,154.09 89.14,153.67 89.27,153.57 93.22,153.89 93.61,153.56 93.68,152.78 93.34,152.39 89.22,152.06 89.11,151.93 89.14,151.51 89.27,151.41 93.22,151.73 93.61,151.39 93.68,150.62 93.34,150.23 89.21,149.9 89.11,149.77 89.14,149.35 89.27,149.25 93.2,149.57 93.6,149.23 93.66,148.46 93.33,148.07 89.21,147.73 89.1,147.61 89.14,147.19 89.26,147.09 93.24,147.41 93.63,147.07 93.7,146.3 93.36,145.91 89.21,145.57 89.11,145.45 89.14,145.03 89.27,144.93 93.23,145.25 93.62,144.91 93.68,144.14 93.35,143.75 89.21,143.41 89.11,143.29 89.14,142.87 89.27,142.76 93.23,143.09 93.62,142.75 93.68,141.98 93.35,141.59 89.21,141.25 89.1,141.13 89.14,140.71 89.26,140.6 93.23,140.92 93.62,140.59 93.69,139.82 93.35,139.43 89.21,139.09 89.1,138.97 89.14,138.55 89.26,138.44 93.25,138.77 93.64,138.43 93.71,137.66 93.37,137.27 89.2,136.93 89.1,136.81 89.13,136.39 89.26,136.28 93.25,136.6 93.64,136.27 93.7,135.5 93.37,135.1 89.16,134.76 89.06,134.64 89.09,134.22 89.21,134.12 93.23,134.44 93.62,134.11 93.68,133.33 93.35,132.94 89.23,132.61 89.12,132.49 89.16,132.07 89.28,131.96 93.25,132.28 93.64,131.95 93.71,131.18 93.37,130.78 89.21,130.45 89.1,130.32 89.14,129.9 89.26,129.8 93.24,130.12 93.63,129.79 93.7,129.01 93.36,128.62 89.22,128.29 89.11,128.16 89.14,127.74 89.27,127.64 93.27,127.96 93.66,127.63 93.72,126.86 93.39,126.46 89.19,126.12 89.09,126 89.12,125.58 89.25,125.48 93.25,125.8 93.64,125.47 93.7,124.69 93.37,124.3 89.19,123.96 89.09,123.84 89.12,123.42 89.24,123.31 93.25,123.64 93.65,123.3 93.71,122.53 93.37,122.14 89.21,121.8 89.11,121.68 89.14,121.26 89.27,121.16 93.3,121.48 93.69,121.15 93.75,120.38 93.42,119.98 89.25,119.65 89.15,119.52 89.18,119.1 89.31,119 93.27,119.32 93.66,118.98 93.73,118.21 93.39,117.82 89.24,117.48 89.13,117.36 89.17,116.94 89.29,116.84 93.2,117.15 93.58,116.83 93.65,116.04 93.31,115.65 89.22,115.32 89.11,115.2 89.15,114.78 89.27,114.67 93.21,114.99 93.4,114.82 93.6,114.66 93.66,113.88 93.33,113.49 89.27,113.16 89.17,113.04 89.2,112.62 89.32,112.52 93.25,112.83 93.64,112.5 93.7,111.73 93.37,111.33 89.27,111 89.16,110.88 89.2,110.45 89.35,110.32 90.78,110.44 91.4,109.82 91.4,106.66 v1(91.5,106.41)
DELTA_L_85_10INCH_IN2_DP: length 254
  TOP w0.099: J28.2 v1(90.87,163.52) ; J34.1 v1(90.87,106.41)
  IN2 w0.114: v1(90.87,106.41) 90.97,106.66 90.97,109.64 90.62,110 89.21,109.88 88.79,110.24 88.72,111.02 89.06,111.41 93.16,111.75 93.26,111.87 93.23,112.29 93.1,112.39 89.18,112.08 88.79,112.41 88.73,113.18 89.06,113.58 93.12,113.9 93.22,114.03 93.19,114.45 93.06,114.55 89.13,114.23 88.74,114.57 88.72,114.74 88.67,115.34 89.01,115.73 93.1,116.06 93.21,116.19 93.17,116.61 93.06,116.71 89.15,116.4 88.76,116.73 88.69,117.5 89.03,117.9 93.18,118.23 93.29,118.35 93.25,118.77 93.13,118.88 89.16,118.56 88.77,118.89 88.71,119.66 89.04,120.06 93.21,120.39 93.31,120.52 93.28,120.94 93.16,121.04 89.12,120.72 88.73,121.05 88.67,121.82 89,122.21 93.16,122.55 93.27,122.67 93.23,123.09 93.11,123.2 89.1,122.87 88.71,123.21 88.65,123.98 88.98,124.37 93.16,124.71 93.26,124.83 93.23,125.26 93.11,125.36 89.1,125.04 88.71,125.37 88.65,126.14 88.98,126.53 93.18,126.87 93.28,127 93.25,127.42 93.13,127.52 89.13,127.2 88.73,127.53 88.67,128.3 89,128.7 93.15,129.03 93.26,129.16 93.22,129.58 93.1,129.68 89.12,129.36 88.72,129.69 88.66,130.47 89,130.86 93.16,131.19 93.27,131.32 93.23,131.74 93.11,131.84 89.14,131.52 88.75,131.86 88.68,132.63 89.02,133.02 93.14,133.35 93.24,133.48 93.21,133.9 93.09,134 89.07,133.68 88.68,134.01 88.62,134.78 88.95,135.18 93.16,135.52 93.26,135.64 93.23,136.06 93.1,136.16 89.11,135.84 88.72,136.18 88.66,136.95 88.99,137.34 93.16,137.68 93.27,137.8 93.23,138.22 93.11,138.33 89.12,138 88.73,138.34 88.66,139.11 89,139.5 93.14,139.84 93.25,139.96 93.21,140.38 93.09,140.49 89.12,140.16 88.73,140.5 88.66,141.27 89,141.66 93.14,142 93.24,142.12 93.21,142.54 93.09,142.65 89.12,142.33 88.73,142.66 88.67,143.43 89,143.82 93.14,144.16 93.24,144.28 93.21,144.7 93.08,144.81 89.12,144.49 88.73,144.82 88.67,145.59 89,145.99 93.15,146.32 93.26,146.44 93.22,146.86 93.1,146.97 89.12,146.65 88.73,146.98 88.67,147.75 89,148.15 93.11,148.48 93.22,148.6 93.19,149.02 93.06,149.13 89.12,148.81 88.73,149.14 88.72,149.32 88.67,149.91 89,150.31 93.13,150.64 93.24,150.76 93.2,151.18 93.08,151.29 89.13,150.97 88.73,151.3 88.67,152.08 89.01,152.47 93.13,152.8 93.24,152.93 93.2,153.35 93.08,153.45 89.12,153.13 88.73,153.46 88.67,154.24 89,154.63 93.16,154.97 93.27,155.09 93.23,155.51 93.11,155.61 89.16,155.29 88.76,155.63 88.7,156.4 89.03,156.79 93.13,157.12 93.24,157.25 93.2,157.67 93.08,157.77 89.13,157.45 88.73,157.79 88.72,157.96 88.67,158.56 89,158.95 93.14,159.29 93.25,159.41 93.21,159.83 93.09,159.93 91.62,159.82 90.97,160.46 90.97,163.27 v1(90.87,163.52)
FM_BBU_PRSNT_N: length 76.5
  TOP w0.114: v1(216.99,12.7) 215.54,12.7 215.13,13.11 215.13,18.49 214.04,19.58 R29.2 211.2,19.23 211.08,19.12 209.86,19.12 204.95,24.03 v1(204.95,26.8)
  IN1 w0.127: v1(204.95,26.8) 199.03,26.8 196.92,28.91 196.92,32.35 191.99,37.29 186.96,37.29 184.11,34.43 184.11,20.52 J8.B7
  BOTTOM w0.114: v1(216.99,12.7) 217.43,13.14 221.23,13.14 221.79,12.58 221.79,9.09 J7.F6
FM_BMC_SLED1_READY_N: length 71.5
  TOP w0.114: v1(212.8,25.5) 214.27,25.5 214.52,25.75 217.53,25.75 218.64,24.63 218.64,23.84 218.21,23.42 218.21,20.39 224.68,13.91 226.45,13.91 227.56,12.8 227.56,11.76 J7.H3
  IN1 w0.127: J8.C8 187.76,21.9 187.76,34.95 188.81,35.99 191.45,35.99 195.63,31.81 195.63,28.32 198.6,25.34 211.4,25.34 211.56,25.5 v1(212.8,25.5)
FM_BMC_SLED2_READY_N: length 217.9
  TOP w0.114: J8.H3 175.71,29.32 175.71,37.75 175.26,38.2 37.42,38.2 30.76,44.86 30.76,67.62 v1(30.61,67.77) ; v1(13.77,70.1) 11.58,67.92 11.58,62.5 7.39,58.32 7.39,57.21 7.56,57.04 7.56,54.61 J9.H3
  BOTTOM w0.114: v1(30.61,67.77) 29.47,68.91 14.96,68.91 v1(13.77,70.1)
